# Altium PCB PASS Capstone.PcbDoc (part 3 of 6) (continued)
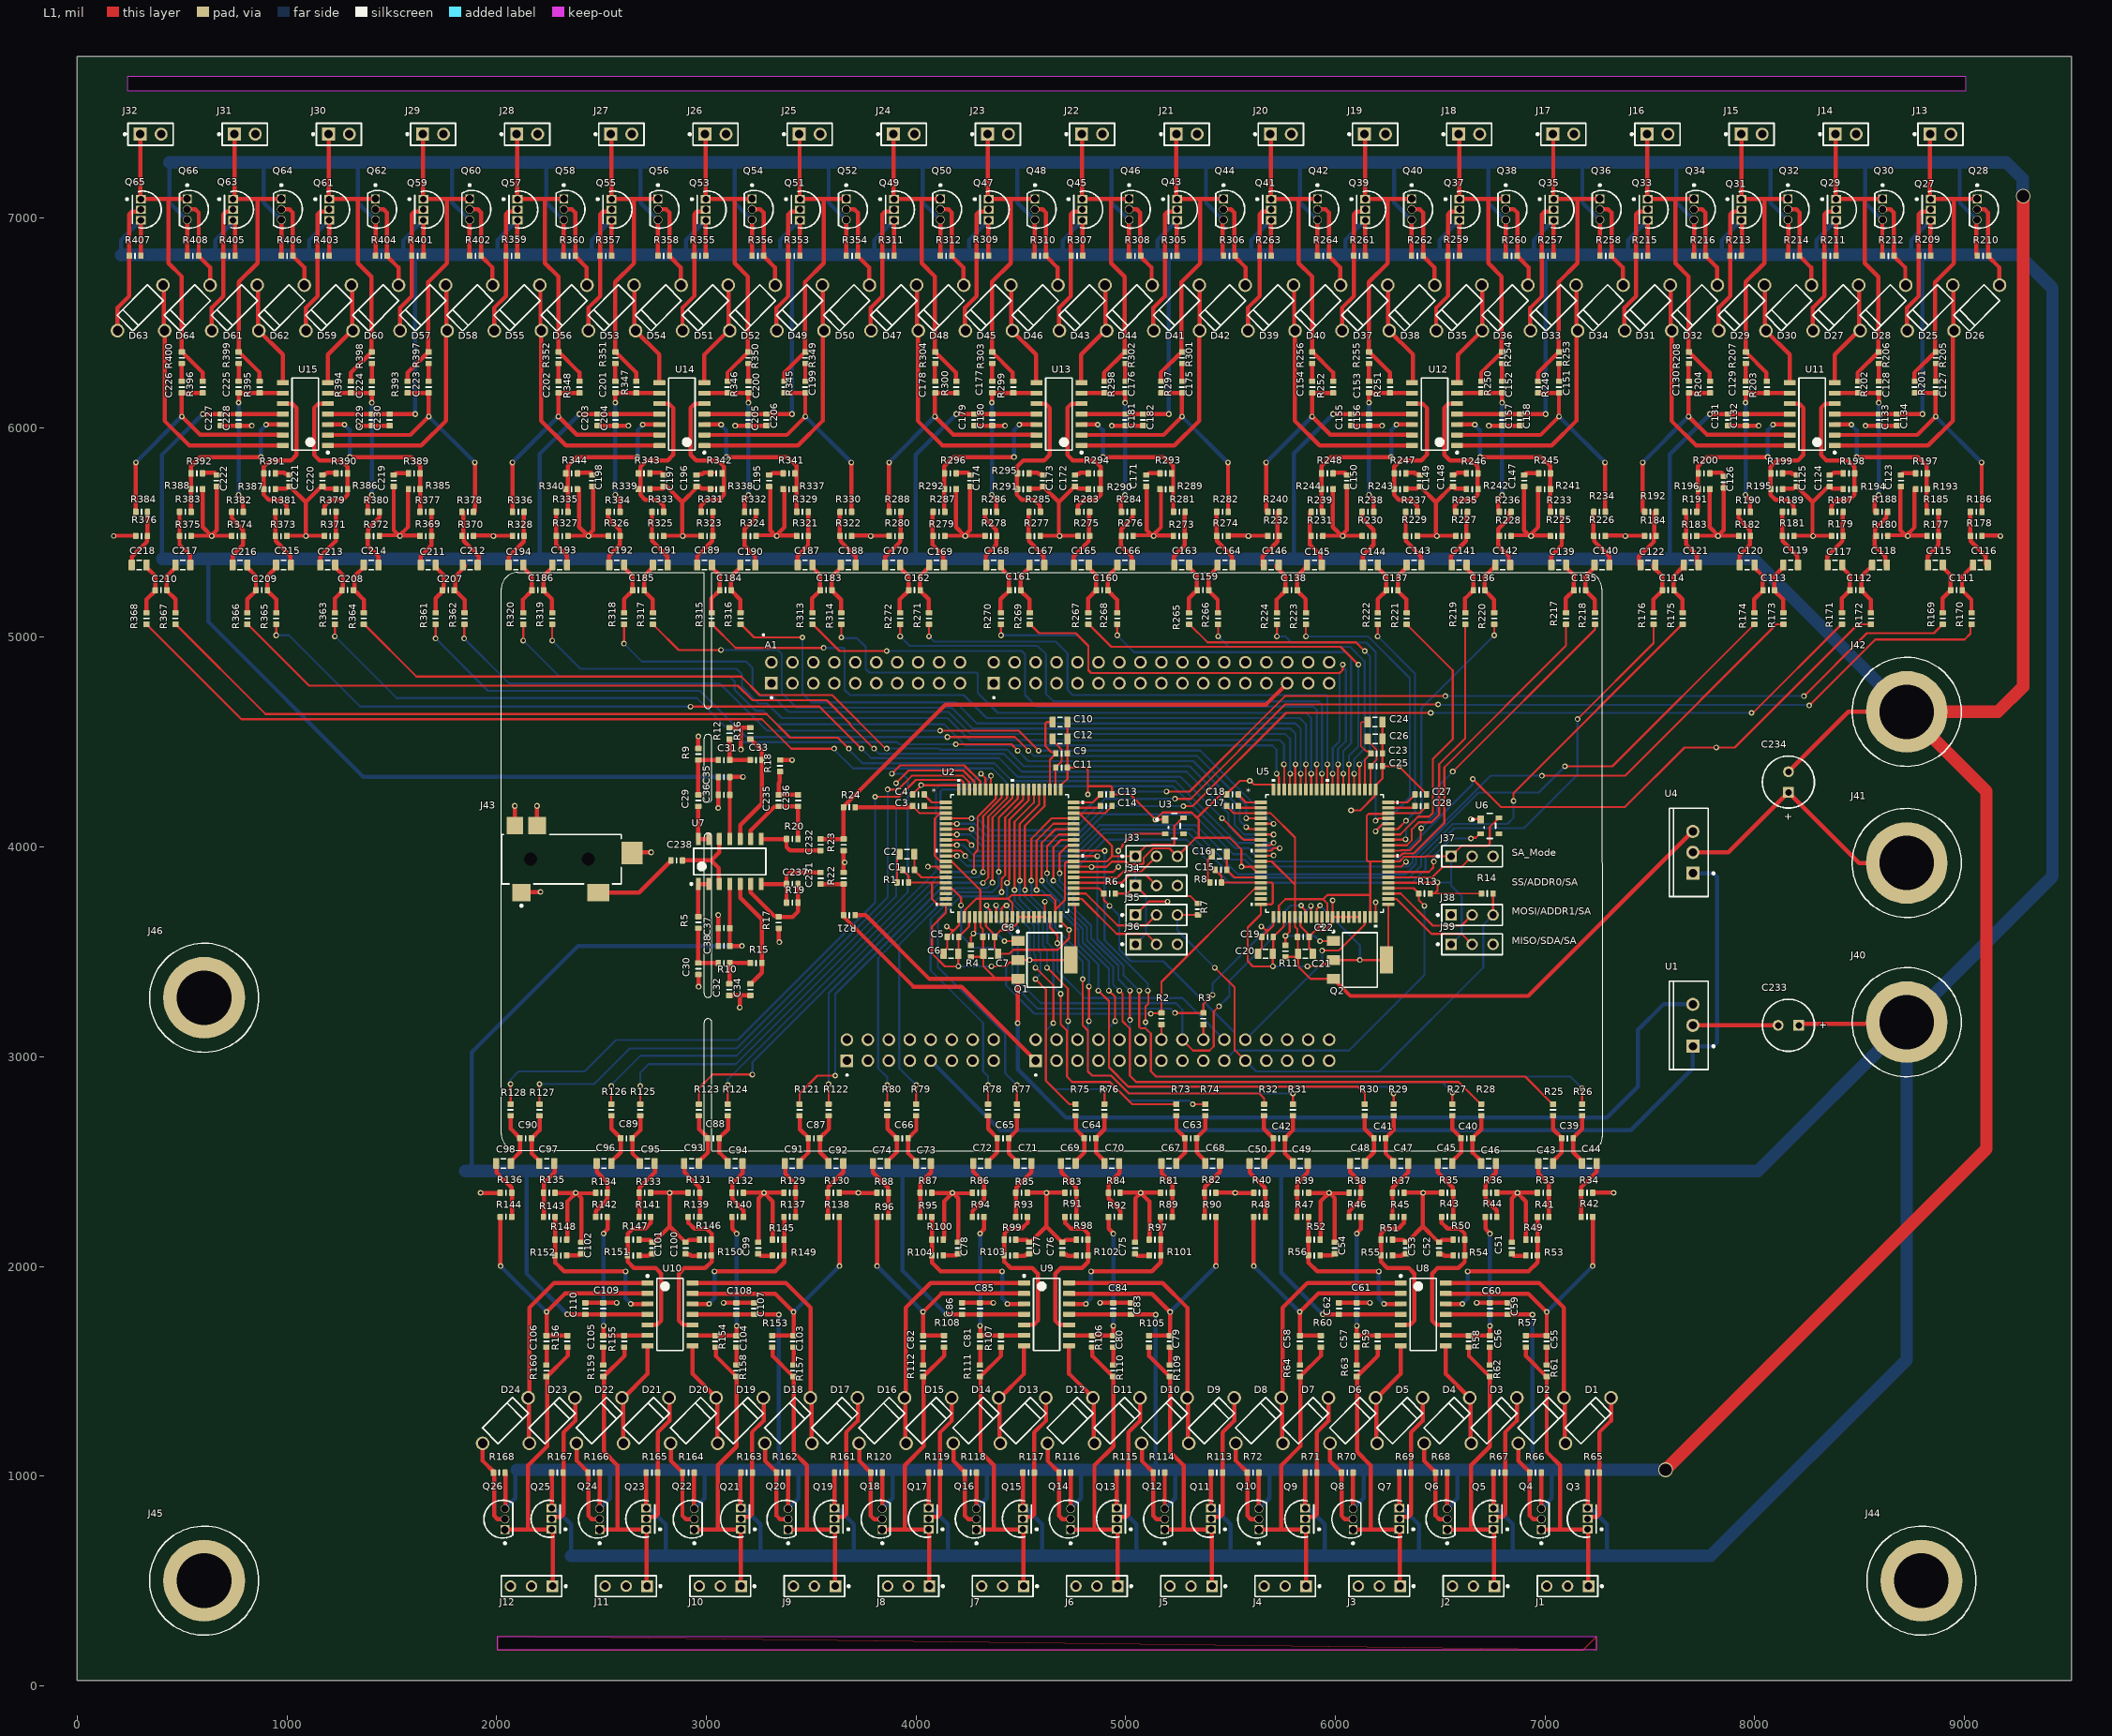
[diagram p0: L1 view]
## Nets (pads, with @x,y where several pads share a name; then routed paths per layer and width w, separated by ;. In a path a pad name is that pad's centre, name@x,y a point inside that pad or via, vN(x,y) a via of type N, cw(c..) or ccw(c..) an arc to the next point about the centre after c; other vN are vias at no path point) (continued)
  L2 w60: 208.9,6822.74 211.15,6825 8803.29,6825 9260,6825 9420,6665 9420,3860 J40.1@8725,3165 ; 1849.75,2455 2142.07,2455 3936.8,2455 5741.85,2455 8015,2455 J40.1@8725,3165 ; 2354.74,619.31 7789.31,619.31 8725,1555 J40.1@8725,3165
NetA1_CN9_1: A1.CN9_1 C231.2 R21.2 R22.1 | length 1466.3
  L1 w20: C231.2@3545,3823.94 R22.1@3655,3823.94 3655,3667.56 3988.11,3334.45 4217.36,3334.45 A1.CN9_1@4570.59,2981.22
NetA1_CN9_14: A1.CN9_14 R2.2 | length 72.4
  L1 w10: A1.CN9_14@5170.59,3081.22 R2.2@5170.59,3153.66
NetA1_CN9_16: A1.CN9_16 U2.28 U5.28 | length 2558.4
  L1 w10: v1(4382.07,3721.72) 4382.58,3721.21 4382.58,3666.73 U2.28@4383.09,3666.22 ; A1.CN9_16@5270.59,3081.22 5321.81,3030 5400,3030 5420,3050 5420,3215 v1(5445,3240) ; v1@5883.39,3716.67 v1(5883.39,3719.9) 5884.05,3719.24 5884.05,3666.88 U5.28@5884.71,3666.22
  L2 w10: v1(4382.07,3721.72) 4486.09,3617.7 4486.09,3363.91 4595,3255 5240,3255 5270.59,3224.41 A1.CN9_16@5270.59,3081.22 ; v1(5445,3240) 5495,3290 5495,3362.06 5784.44,3651.51 5815,3651.51 v1(5883.39,3719.9)
NetA1_CN9_18: A1.CN9_18 R3.2 | length 72.4
  L1 w10: A1.CN9_18@5370.59,3081.22 R3.2@5370.59,3153.66
NetA1_CN9_19: A1.CN9_19 R6.2 R13.2 U2.44 U5.44 | length 2933.3
  L1 w10: U2.44@4751.2,3804.02 4872.2,3804.02 4895.83,3780.39 R6.2@4895.83,3778.42 4895.83,3747.56 v1(4923.39,3720) ; U5.44@6252.82,3804.02 6373.81,3804.02 6397.44,3780.39 R13.2@6397.44,3778.42 6397.44,3747.56 v1(6425,3720)
  L2 w10: v1(4923.39,3720) 4970,3673.39 4970,3510.92 5025.92,3455 5180,3455 5519.37,3115.63 5519.37,3030 ; A1.CN9_19@5470.59,2981.22 5519.37,3030 ; v1(6425,3720) 6425,3390 6065,3030 5519.37,3030
NetA1_CN9_20: A1.CN9_20 U2.38 | length 1204.1
  L1 w10: U2.38@4639,3666.22 4639,3616.73 4675,3580.73 4675,3542.94 v1(4673.53,3541.47)
  L2 w10: v1(4673.53,3541.47) 4675,3540 4675,3409.97 4804.97,3280 5271.81,3280 A1.CN9_20@5470.59,3081.22
NetA1_CN9_21: A1.CN9_21 J35.3 J38.3 R7.2 R14.2 | length 2660.5
  L1 w10: J35.3@5247.07,3676.22 R7.2@5345,3676.22 ; v1(5425,3425) 5520,3330 5520,3031.81 A1.CN9_21@5570.59,2981.22 ; J38.3@6752.07,3676.22 R14.2@6752.07,3778.42
  L2 w10: J35.3@5247.07,3676.22 5247.07,3602.93 v1(5425,3425) ; A1.CN9_21@5570.59,2981.22 5621.81,2930 6210,2930 6705,3425 6705,3629.15 J38.3@6752.07,3676.22
NetA1_CN9_22: A1.CN9_22 U5.38 | length 867.5
  L1 w10: v1(5937.07,3506.22) 6016.21,3506.22 6139.3,3629.31 6139.3,3664.91 U5.38@6140.61,3666.22
  L2 w10: A1.CN9_22@5570.59,3081.22 5937.07,3447.7 v1(5937.07,3506.22)
NetA1_CN10_29: A1.CN10_29 C232.2 R23.1 R24.2 | length 2624.4
  L1 w20: C232.2@3545,4038.5 R23.1@3655,4038.5 3655,4194.12 4140.88,4680 5669.37,4680 A1.CN10_29@5770.59,4781.22
NetC1_1: C1.1 C5.2 C6.2 Q1.2 Q1.4 R1.1 U2.16 U2.20 U2.23 U2.29 U2.41 | length 2282.5
  L1 w10: C1.1@3937.07,3891.22 3937.07,3889.26 3964.63,3861.7 R1.1@3964.63,3831.22 3965.43,3830.41 4077.05,3830.41 ; U2.16@4142.94,3829.61 4142.13,3830.41 4077.05,3830.41 ; v1(4202.07,3431.22) 4137.72,3431.22 4077.07,3491.87 4077.07,3621.22 4142.94,3687.09 U2.20@4142.94,3727.24 4102.76,3727.24 4077.05,3752.95 4077.05,3830.41 ; v1(4202.07,3431.22) C6.2@4202.11,3491.22 4203.15,3492.26 4203.15,3570.22 C5.2@4204.2,3571.22 4204.16,3573.18 4212.16,3581.18 4214.12,3581.18 4253.65,3620.72 4253.65,3663.12 U2.23@4256.76,3666.22 ; v1(4359.7,3431.22) 4427.07,3431.22 4445.45,3449.6 4474.46,3449.6 Q1.2@4486.09,3461.22 v1(4542.19,3461.22) Q1.4@4738.05,3461.22 4760,3483.17 4760,3723.78 4756.54,3727.24 U2.41@4751.2,3727.24 ; U2.29@4408.68,3666.22 4408.68,3708.01 4418.64,3717.97 4428.82,3717.97 v1(4432.07,3721.22)
  L2 w10: v1(4202.07,3431.22) v1(4359.7,3431.22) ; v1(4432.07,3721.22) 4542.19,3611.1 v1(4542.19,3461.22)
NetC1_2: C1.2 C2.2 U2.15 | length 241.8
  L1 w10: C2.2@3992.19,3966.22 C1.2@3992.19,3891.22 3992.19,3889.26 4026.25,3855.2 U2.15@4142.94,3855.2
NetC2_1: C2.1 R1.2 | length 140.1
  L1 w10: R1.2@3909.51,3831.22 3909.51,3943.39 3921.71,3955.59 C2.1@3921.71,3966.22
NetC3_1: C3.1 U2.2 | length 107
  L1 w10: C3.1@4039.63,4196.22 4039.63,4195.87 4047.63,4187.87 U2.2@4142.94,4187.87
NetC3_2: C3.2 C7.1 C8.2 C14.2 J33.1 J34.1 J36.1 Q1.3 R4.2 R6.1 R7.1 R21.1 R24.1 U1.3 U2.3 U2.12 U2.22 U2.25 U2.31 U2.39 U2.49 U2.58 U3.4 | length 9494.4
  L1 w10: C3.2@3984.51,4194.26 4016.49,4162.28 U2.3@4142.94,4162.28 ; 4112.5,4158.82 4090,4136.32 4090,3957.93 4112.5,3935.43 4139.47,3935.43 4146.4,3928.5 4173.37,3928.5 4307.07,3794.81 4307.07,3753.72 ; U2.22@4229.55,3666.22 4233.01,3669.69 4233.01,3699.1 4287.64,3753.72 4307.07,3753.72 ; R4.2@4262.07,3476.22 4311.68,3476.22 C7.1@4321.64,3486.18 ; U2.25@4306.32,3666.22 4306.32,3752.97 4307.07,3753.72 ; U2.25@4307.94,3666.22 4307.94,3619.45 4319.51,3607.87 C8.2@4319.55,3571.22 ; C8.2@4319.55,3571.22 4320.59,3570.18 C7.1@4320.59,3491.22 ; C7.1@4321.64,3491.22 C7.1@4321.64,3486.18 ; 4382.62,3370.67 4321.64,3431.65 C7.1@4321.64,3486.18 ; U2.31@4459.87,3666.22 4459.87,3733.42 4439.57,3753.72 ; U2.39@4664.59,3666.22 4664.59,3701.65 ; U2.58@4751.2,4162.28 4902.82,4162.28 4934.79,4194.26 C14.2@4934.79,4196.22 ; 4781.64,4158.82 4934.79,4005.67 4934.79,3956.22 ; R6.1@4953.4,3775.97 R6.1@4950.95,3778.42 5009.27,3778.42 J34.1@5047.07,3816.22 5096.68,3766.61 5307.77,3766.61 5343.04,3731.34 R7.1@5345,3731.34 ; U3.4@5275.38,4139.02 5270.45,4139.02 5232.07,4100.63 5232.07,4016.22 5222.07,4006.22 5219.7,4006.22 5215.35,4010.56 5124.56,4010.56 5120.22,4006.22 5097.07,4006.22 J33.1@5047.07,3956.22 4934.79,3956.22 ; 4307.07,3753.72 4439.57,3753.72 ; 4439.57,3753.72 4455.85,3770 4640,3770 4664.59,3745.41 4664.59,3701.65 ; 4664.59,3701.65 4709.99,3747.06 4709.99,3922.33 4716.3,3928.65 4727.8,3928.65 4731.12,3931.97 4910.54,3931.97 4934.79,3956.22
  L1 w20: R21.1@3710.12,3675 3760,3675 4064.33,3370.67 4382.62,3370.67 Q1.3@4486.09,3370.67 4485,3369.58 v1(4485,3160) ; R24.1@3710.12,4190 3980.25,4190 C3.2@3984.51,4194.26
  L2 w10: J36.1@5047.07,3536.22 5097.07,3586.22 5097.07,3766.22 J34.1@5047.07,3816.22 J33.1@5047.07,3956.22
  L2 w20: v1(4485,3160) 4485,2940 4715,2710 7295,2710 7442.82,2857.82 7442.82,3127.82 7565,3250 U1.3@7705,3250
NetC4_1: C4.1 U2.1 | length 120.1
  L1 w10: C4.1@4039.63,4251.22 4039.63,4249.26 4075.42,4213.46 U2.1@4142.94,4213.46
NetC9_2: C9.2 C10.2 U2.63 | length 393.8
  L1 w10: U2.63@4639,4274.49 4639,4416.31 4666.95,4444.26 C9.2@4666.95,4446.22 4660.76,4452.41 4645.88,4452.41 4617.07,4481.22 4617.07,4590.36 4622.93,4596.22 C10.2@4651.6,4596.22
NetC11_2: C11.2 C12.1 U2.62 | length 273.6
  L1 w10: C12.1@4651.6,4516.22 4651.6,4505.59 4661.56,4495.63 4663.93,4495.63 4694.83,4464.73 4694.83,4408.92 4666.95,4381.04 C11.2@4666.95,4379.07 4665.77,4377.89 4665.77,4275.67 U2.62@4664.59,4274.49
NetC13_1: C13.1 U2.60 | length 145.3
  L1 w10: U2.60@4751.2,4213.46 4843.88,4213.46 4879.68,4249.26 C13.1@4879.68,4251.22
NetC14_1: C14.1 U2.59 | length 132.1
  L1 w10: U2.59@4751.2,4187.87 4871.68,4187.87 4879.68,4195.87 C14.1@4879.68,4196.22
NetC15_1: C15.1 C19.2 C20.2 Q2.2 Q2.4 R8.1 U5.16 U5.20 U5.23 U5.29 U5.41 | length 2396.4
  L1 w10: C15.1@5427.07,3891.22 5427.07,3889.26 5435.07,3881.26 5436.99,3881.26 5457.07,3861.18 R8.1@5457.07,3831.22 5457.88,3830.41 5696.21,3830.41 5702.07,3824.56 5702.07,3733.1 5696.21,3727.24 U5.20@5644.55,3727.24 5644.55,3678.7 5582.07,3616.22 5582.07,3456.22 5607.07,3431.22 v1(5702.07,3431.22) 5702.11,3431.26 C20.2@5702.11,3491.22 ; C20.2@5704.16,3478.54 C19.2@5704.16,3571.22 5704.16,3573.18 5712.16,3581.18 5714.12,3581.18 5753.65,3620.72 5753.65,3663.12 U5.23@5756.76,3666.22 ; v1(5867.07,3431.22) 5931.67,3431.22 5943.05,3442.6 5972.46,3442.6 Q2.2@5991.09,3461.22 v1(6117.07,3461.22) Q2.4@6243.05,3461.22 6252.82,3470.98 U5.41@6252.82,3727.24 ; U5.29@5911.51,3665.01 U5.29@5910.3,3666.22 5910.3,3704.45 v1(5927.07,3721.22)
  L2 w10: v1(5702.07,3431.22) v1(5867.07,3431.22) ; v1(5927.07,3721.22) 6117.07,3531.22 v1(6117.07,3461.22)
NetC15_2: C15.2 C16.2 U5.15 | length 253.5
  L1 w10: C16.2@5482.07,3966.22 C16.2@5482.07,3966.22 5482.13,3891.28 C15.2@5482.19,3891.22 5482.19,3889.26 5490.19,3881.26 5492.15,3881.26 5517.89,3855.52 5575.02,3855.52 5575.34,3855.2 U5.15@5644.55,3855.2
NetC16_1: C16.1 R8.2 | length 149.4
  L1 w10: R8.2@5401.95,3831.22 5393.95,3839.22 5393.95,3845.16 5392.07,3847.04 5392.07,3939.77 5397.93,3945.63 5401.64,3945.63 5411.6,3955.59 C16.1@5411.6,3966.22
NetC17_1: C17.1 U5.2 | length 111.1
  L1 w10: C17.1@5537.07,4196.22 5537.07,4195.87 5545.07,4187.87 U5.2@5644.55,4187.87
NetC17_2: C17.2 C21.2 C22.2 C28.2 J37.1 J39.1 Q2.3 R11.2 R13.1 R14.1 U4.3 U5.3 U5.12 U5.22 U5.25 U5.31 U5.39 U5.45 U5.49 U5.58 U6.4 | length 6772.9
  L1 w8: R13.1@6452.56,3778.42 R14.1@6696.95,3778.42 ; v1@6485.46,3829.61 v1(6487.07,3831.22)
  L1 w10: C17.2@5481.95,4196.22 5481.95,4194.26 5513.93,4162.28 U5.3@5644.55,4162.28 5691.01,4162.28 5807.97,4045.32 5807.97,3820.32 ; U5.12@5644.55,3931.97 5696.32,3931.97 5807.97,3820.32 ; U5.22@5731.16,3666.22 5731.16,3720.31 5762.07,3751.22 5807.97,3751.22 ; R11.2@5762.07,3476.22 5812.07,3476.22 5822.03,3486.18 C21.2@5822.03,3491.22 ; U5.31@5961.48,3666.22 5961.48,3731.81 5942.07,3751.22 ; Q2.3@5991.09,3370.67 5990.53,3371.22 5882.07,3371.22 5822.05,3431.24 C21.2@5822.03,3491.22 ; U5.39@6166.2,3666.22 6166.2,3771.22 ; U5.45@6252.82,3829.61 v1@6485.46,3829.61 ; C28.2@6434.63,4196.22 6434.63,4194.26 6402.65,4162.28 U5.58@6252.82,4162.28 6249.35,4158.82 6158.82,4158.82 6150,4150 6150,3937.83 6155.86,3931.97 6166.2,3931.97 ; 6472.87,3779.05 6487.07,3793.25 v1(6487.07,3831.22) ; U6.4@6780.38,4139.02 6775.45,4139.02 6769.63,4133.19 6769.63,4128.27 6737.07,4095.71 6737.07,4016.22 6727.07,4006.22 6602.07,4006.22 J37.1@6552.07,3956.22 6430.9,3956.22 6427.98,3953.3 6327.34,3953.3 6306,3931.97 6166.2,3931.97 ; 5807.97,3751.22 5942.07,3751.22 ; 5807.97,3751.22 5807.97,3820.32 ; 5807.97,3751.22 5807.97,3666.22 5807.94,3619.45 5819.51,3607.87 C22.2@5819.51,3571.22 5820.77,3569.96 5820.77,3492.48 C21.2@5822.03,3491.22 ; 5942.07,3751.22 5962.07,3771.22 6166.2,3771.22 ; 6166.2,3771.22 6166.2,3931.97
  L1 w20: Q2.3@5991.09,3370.67 6071.75,3290 6920,3290 U4.3@7705,4075
  L2 w10: v1(6487.07,3831.22) 6552.07,3831.22 ; J39.1@6552.07,3536.22 6602.07,3586.22 6602.07,3766.22 6574.41,3793.88 6552.07,3816.22 6552.07,3831.22 ; J37.1@6552.07,3956.22 6552.07,3831.22
NetC18_1: C18.1 U5.1 | length 124.3
  L1 w10: C18.1@5537.07,4251.22 5537.07,4249.26 5572.86,4213.46 U5.1@5644.55,4213.46
NetC23_2: C23.2 C24.2 U5.63 | length 391.2
  L1 w7.87: U5.63@6140.61,4274.49 6140.61,4415.36 6169.51,4444.26 6169.51,4448.18 6160.45,4457.24 6146.05,4457.24 6122.07,4481.22 6122.07,4591.61 6126.68,4596.22 C24.2@6154.16,4596.22
NetC25_2: C25.2 C26.1 U5.62 | length 272.8
  L1 w7.87: C26.1@6154.16,4516.22 6154.16,4505.59 6165.18,4494.57 6166.93,4494.57 6196.45,4465.05 6196.45,4415.12 6169.51,4388.18 C25.2@6169.51,4386.22
  L1 w10: U5.62@6166.2,4274.49 6167.86,4276.14 6167.86,4384.57 C25.2@6169.51,4386.22
NetC27_1: C27.1 U5.60 | length 143.5
  L1 w10: U5.60@6252.82,4213.46 6343.71,4213.46 6379.51,4249.26 C27.1@6379.51,4251.22
NetC28_1: C28.1 U5.59 | length 130.4
  L1 w10: U5.59@6252.82,4187.87 6371.51,4187.87 6379.51,4195.87 C28.1@6379.51,4196.22
NetC29_1: C29.1 U7.13 U7.14 | length 205.6
  L1 w20: C29.1@2962.07,4194.12 U7.14@2962.07,4038.5 U7.13@3012.07,4038.5
NetC29_2: C29.2 C31.1 R9.1 | length 260.9
  L1 w20: C29.2@2962.07,4249.24 R9.1@2962.07,4415.26 C31.1@3056.95,4415.26
NetC30_1: C30.1 R5.1 R10.2 | length 260.9
  L1 w20: R5.1@2962.07,3613.2 C30.1@2962.07,3447.18 R10.2@3056.95,3447.18
NetC31_2: C31.2 C33.1 R12.1 | length 195.5
  L1 w20: C31.2@3111.03,4416.29 R12.1@3111.03,4513.85 ; C31.2@3112.07,4415.26 C33.1@3210,4415.26
NetC32_1: C32.1 R10.1 R15.2 | length 196.9
  L1 w20: C32.1@3110,3347.56 3111.03,3348.59 R10.1@3111.03,3446.15 ; R10.1@3112.07,3447.18 R15.2@3210,3447.18
NetC33_2: C33.2 R16.1 U7.10 | length 543
  L1 w20: U7.10@3162.07,4038.5 3162.07,4104.15 3265.12,4207.2 C33.2@3265.12,4415.26 3265.12,4461.72 3211.96,4514.88 R16.1@3210,4514.88
NetC34_1: C34.1 R15.1 U7.5 | length 543
  L1 w20: U7.5@3162.07,3823.94 3162.07,3758.29 3265.12,3655.24 R15.1@3265.12,3447.18 3265.12,3400.72 3211.96,3347.56 C34.1@3210,3347.56
NetC35_1: C35.1 C36.1 C59.1 C60.1 C83.1 C84.1 C107.1 C108.1 C131.1 C132.1 C155.1 C156.1 C179.1 C180.1 C203.1 C204.1 C227.1 C228.1 C234.2 J42.1 Q4.3 Q6.3 Q8.3 Q10.3 Q12.3 Q14.3 Q16.3 Q18.3 Q20.3 Q22.3 Q24.3 Q26.3 Q28.3 Q30.3 Q32.3 Q34.3 Q36.3 Q38.3 Q40.3 Q42.3 Q44.3 Q46.3 Q48.3 Q50.3 Q52.3 Q54.3 Q56.3 Q58.3 Q60.3 Q62.3 Q64.3 Q66.3 R66.2 R68.2 R70.2 R72.2 R114.2 R116.2 R118.2 R120.2 R162.2 R164.2 R166.2 R168.2 R210.2 R212.2 R214.2 R216.2 R258.2 R260.2 R262.2 R264.2 R306.2 R308.2 R310.2 R312.2 R354.2 R356.2 R358.2 R360.2 R402.2 R404.2 R406.2 R408.2 U7.11 U8.11 U9.11 U10.11 U11.11 U12.11 U13.11 U14.11 U15.11 | length 57863.5
  L1 w20: R408.2@524.37,6820 Q66.3@524.37,6991.57 ; v1(598.68,6065) C227.1@684.75,6065 880.48,6065 U15.11@980.48,6065 ; R406.2@973.37,6820 Q64.3@973.37,6991.57 ; R404.2@1422.37,6820 Q62.3@1422.37,6991.57 ; R402.2@1871.37,6820 Q60.3@1871.37,6991.57 ; Q26.3@2043.45,844.65 R168.2@2043.45,1016.22 ; R360.2@2320.37,6820 Q58.3@2320.37,6991.57 ; v1(2395.53,6065) C203.1@2481.6,6065 2676.48,6065 U14.11@2776.49,6065 ; Q24.3@2492.45,844.65 R166.2@2492.45,1016.22 ; R358.2@2769.37,6820 Q56.3@2769.37,6991.57 ; U10.11@2934.33,1771.22 3034.33,1771.22 C107.1@3230.07,1771.22 ; Q22.3@2941.45,844.65 R164.2@2941.45,1016.22 ; U7.11@3112.07,4038.5 3112.07,4138.51 C36.1@3112.07,4249.24 C35.1@3112.07,4334.24 v1(3175,4334.24) ; R356.2@3218.37,6820 Q54.3@3218.37,6991.57 ; C107.1@3228.98,1770.61 v1@3345.69,1770.61 ; Q20.3@3390.45,844.65 R162.2@3390.45,1016.22 ; R354.2@3667.37,6820 Q52.3@3667.37,6991.57 ; Q18.3@3839.45,844.65 R120.2@3839.45,1016.22 ; R312.2@4116.37,6820 Q50.3@4116.37,6991.57 ; v1(4192.38,6065) C179.1@4278.45,6065 4472.49,6065 U13.11@4572.49,6065 ; Q16.3@4288.45,844.65 R118.2@4288.45,1016.22 ; R310.2@4565.37,6820 Q48.3@4565.37,6991.57 ; U9.11@4730.33,1771.22 4830.33,1771.22 C83.1@5026.07,1771.22 ; Q14.3@4737.45,844.65 R116.2@4737.45,1016.22 ; R308.2@5014.37,6820 Q46.3@5014.37,6991.57 ; C83.1@5025.83,1770.61 v1@5142.54,1770.61 ; Q12.3@5186.45,844.65 R114.2@5186.45,1016.22 ; R306.2@5463.37,6820 Q44.3@5463.37,6991.57 ; Q10.3@5635.45,844.65 R72.2@5635.45,1016.22 ; R264.2@5914.7,6820 Q42.3@5914.7,6991.57 ; v1(5989.87,6065) C155.1@6075.93,6065 6270.82,6065 U12.11@6370.82,6065 ; Q8.3@6084.45,844.65 R70.2@6084.45,1016.22 ; R262.2@6363.7,6820 Q40.3@6363.7,6991.57 ; U8.11@6526.33,1771.22 6626.33,1771.22 C59.1@6822.07,1771.22 6822.68,1770.61 6939.39,1770.61 v1(6940,1770) ; Q6.3@6533.45,844.65 R68.2@6533.45,1016.22 ; R260.2@6812.71,6820 Q38.3@6812.71,6991.57 ; Q4.3@6982.45,844.65 R66.2@6982.45,1016.22 ; R258.2@7261.71,6820 Q36.3@7261.71,6991.57 ; R216.2@7710.71,6820 Q34.3@7710.71,6991.57 ; v1(7786.72,6065) C131.1@7872.78,6065 C132.1@7957.78,6065 8066.82,6065 U11.11@8166.82,6065 ; R214.2@8159.71,6820 Q32.3@8159.71,6991.57 ; C234.2@8160.79,4359.21 8446.57,4645 J42.1@8725,4645 ; R212.2@8608.71,6820 Q30.3@8608.71,6991.57 ; R210.2@9057.71,6820 Q28.3@9057.71,6991.57
  L1 w60: v2(7575,1030) 9105,2560 9105,4265 J42.1@8725,4645 9160,4645 9280,4765 v2(9280,7105)
  L2 w20: 405,5375 405,5871.32 v1(598.68,6065) ; 440.68,7265 440.68,7073.4 522.51,6991.57 Q66.3@524.37,6991.57 ; 624.38,5375 624.38,5075.62 1365.76,4334.24 v1(3175,4334.24) ; 889.68,7265 889.68,7073.4 Q64.3@971.51,6991.57 ; 1338.69,7265 1338.69,7073.4 Q62.3@1420.51,6991.57 ; 1787.69,7265 1787.69,7073.4 Q60.3@1869.51,6991.57 ; Q26.3@2040.04,844.65 2090,894.6 2090,1025 ; 2204.8,5375 2204.8,5874.26 v1(2395.53,6065) ; 2236.69,7265 2236.69,7073.4 Q58.3@2318.51,6991.57 ; Q24.3@2491.28,844.65 2541.24,894.6 2541.24,1025 ; 2685.69,7265 2685.69,7073.4 Q56.3@2767.51,6991.57 ; Q22.3@2942.85,844.65 2992.81,894.6 2992.81,1025 ; 3134.69,7265 3134.69,7073.4 Q54.3@3216.51,6991.57 ; 3346.3,1031.17 v1(3346.3,1770) ; Q20.3@3390.45,844.65 3440.4,894.6 3440.4,1025 ; 3583.69,7265 3583.69,7073.4 Q52.3@3665.51,6991.57 ; Q18.3@3839.45,844.65 3889.4,894.6 3889.4,1025 ; 3998.2,5375 3998.2,5870.82 v1(4192.38,6065) ; 4032.69,7265 4032.69,7073.4 Q50.3@4114.51,6991.57 ; Q16.3@4288.45,844.65 4338.4,894.6 4338.4,1025 ; 4484.02,7265 4484.02,7073.4 Q48.3@4565.85,6991.57 ; Q14.3@4737.45,844.65 4787.41,894.6 4787.41,1025 ; 4933.02,7265 4933.02,7073.4 Q46.3@5014.85,6991.57 ; 5143.15,1031.17 v1(5143.15,1770) ; Q12.3@5186.45,844.65 5236.41,894.6 5236.41,1025 ; 5383.09,7265 5383.09,7073.4 Q44.3@5464.91,6991.57 ; Q10.3@5635.45,844.65 5685.41,894.6 5685.41,1025 ; 5801.74,5375 5801.74,5876.87 v1(5989.87,6065) ; 5831.02,7265 5831.02,7073.4 Q42.3@5912.85,6991.57 ; Q8.3@6084.45,844.65 6134.41,894.6 6134.41,1025 ; 6280.02,7265 6280.02,7073.4 Q40.3@6361.85,6991.57 ; Q6.3@6533.45,844.65 6583.41,894.6 6583.41,1025 ; 6729.02,7265 6729.02,7073.4 Q38.3@6810.85,6991.57 ; 6938.83,1030 6940,1031.17 v1(6940,1770) ; Q4.3@6982.45,844.65 7032.41,894.6 7032.41,1025 ; 7178.02,7265 7178.02,7073.4 Q36.3@7259.85,6991.57 ; 7594.49,5375 7594.49,5872.77 v1(7786.72,6065) ; 7627.02,7265 7627.02,7073.4 Q34.3@7708.85,6991.57 ; 8074.62,7265 8074.62,7073.4 Q32.3@8156.44,6991.57 ; 8526.19,7265 8526.19,7073.4 Q30.3@8608.02,6991.57 ; 8977.43,7265 8977.43,7073.4 Q28.3@9059.25,6991.57
  L2 w60: 405,5375 624.38,5375 2204.8,5375 3998.2,5375 5801.74,5375 7594.49,5375 7995,5375 J42.1@8725,4645 ; 440.68,7265 889.68,7265 1338.69,7265 1787.69,7265 2236.69,7265 2685.69,7265 3134.69,7265 3583.69,7265 4032.69,7265 4484.02,7265 4933.02,7265 5383.09,7265 5831.02,7265 6280.02,7265 6729.02,7265 7178.02,7265 7627.02,7265 8074.62,7265 8526.19,7265 8977.43,7265 9200,7265 9278.09,7186.91 9278.09,7106.91 v2(9280,7105) ; 2095,1030 6938.83,1030 v2(7575,1030)
NetC39_1: C39.1 C43.1 R25.2 | length 259.1
  L1 w20: C43.1@7038.33,2491.22 7038.33,2501.85 7079.51,2543.03 C39.1@7079.51,2611.22 7079.51,2613.18 7038.33,2654.36 R25.2@7038.33,2716.22
NetC39_2: C39.2 C44.1 R26.2 | length 259.8
  L1 w20: C44.1@7176.64,2491.22 7176.64,2501.85 7134.63,2543.86 C39.2@7134.63,2611.22 7134.63,2613.18 7176.64,2655.19 R26.2@7176.64,2716.22
NetC40_1: C40.1 C45.1 R27.2 | length 259.5
  L1 w20: C45.1@6557.89,2491.22 6557.89,2501.85 6599.51,2543.47 C40.1@6599.51,2611.22 6599.51,2613.18 6557.89,2654.8 R27.2@6557.89,2716.22
NetC40_2: C40.2 C46.1 R28.2 | length 259.1
  L1 w20: C46.1@6695.81,2491.22 6695.81,2501.85 6654.63,2543.03 C40.2@6654.63,2611.22 6654.63,2613.18 6695.81,2654.36 R28.2@6695.81,2716.22
NetC41_1: C41.1 C47.1 R29.2 | length 257
  L1 w20: C47.1@6278.08,2490.06 6278.08,2500.69 6239.46,2539.3 6239.46,2610.06 6239.46,2612.02 6278.08,2650.63 R29.2@6278.08,2715.06
NetC41_2: C41.2 C48.1 R30.2 | length 261.6
  L1 w20: C48.1@6140.17,2490.06 6140.17,2500.69 6184.35,2544.87 6184.35,2610.06 6184.35,2612.02 6140.17,2656.2 R30.2@6140.17,2715.06
NetC42_1: C42.1 C49.1 R31.2 | length 256.6
  L1 w20: C49.1@5797.76,2490.09 5797.76,2500.72 5759.57,2538.9 5759.57,2610.09 5759.57,2612.05 5797.76,2650.23 R31.2@5797.76,2715.09
NetC42_2: C42.2 C50.1 R32.2 | length 262
  L1 w20: C50.1@5659.84,2490.09 5659.84,2500.72 5704.46,2545.34 5704.46,2610.09 5704.46,2612.05 5659.84,2656.67 R32.2@5659.84,2715.09
NetC43_2: C43.2 R33.2 R41.2 | length 276
  L1 w20: C43.2@6968.25,2491.22 6968.25,2444.45 7019.04,2393.67 7019.04,2351.22 R41.2@7019.04,2236.22
NetC44_2: C44.2 R34.1 R42.2 | length 285.8
  L1 w20: R34.1@7172.31,2351.22 7173.5,2352.42 7173.5,2378.5 7245.53,2450.53 7245.53,2490.03 C44.2@7246.71,2491.22 ; R42.2@7172.7,2236.22 R34.1@7172.7,2351.22
NetC45_2: C45.2 R35.2 R43.2 | length 283.2
  L1 w20: C45.2@6489.3,2489.35 6489.3,2447.81 6559.81,2377.29 6559.81,2353.24 6561.83,2351.22 R43.2@6561.83,2236.22
NetC46_2: C46.2 R36.1 R44.2 | length 298.9
  L1 w20: C46.2@6766.28,2491.22 6766.28,2446.28 6715.49,2395.49 6715.49,2351.22 6715.52,2322.77 6770.61,2267.68 R44.2@6770.61,2236.22
NetC47_2: C47.2 R37.2 R45.2 | length 280
  L1 w20: R45.2@6272.82,2236.22 R37.2@6272.82,2351.22 ; R37.2@6274.54,2351.22 6274.54,2376.65 6347.07,2449.18 C47.2@6347.07,2486.22
NetC48_2: C48.2 R38.1 R46.2 | length 295.7
  L1 w20: R46.2@6065.92,2236.22 6065.92,2265.07 6119.81,2318.96 6119.81,2350 R38.1@6121.03,2351.22 ; C48.2@6070.08,2488.1 6070.08,2449.92 6120.87,2399.13 R38.1@6120.87,2351.22
NetC49_2: C49.2 R39.2 R47.2 | length 273.8
  L1 w20: R39.2@5814.44,2345.13 5812.48,2345.13 5817.1,2340.51 R47.2@5817.1,2236.22 ; R39.2@5817.44,2350.09 5817.44,2397.44 5868.23,2448.23 C49.2@5868.23,2490.09
NetC50_2: C50.2 R40.1 R48.2 | length 282.8
  L1 w20: C50.2@5591.24,2488.22 5591.24,2448.76 5663,2377 5663,2353.93 R40.1@5665.71,2351.22 R48.2@5665.71,2236.22
NetC51_2: C51.2 R53.2 | length 70.2
  L1 w20: C51.2@6841.67,2058.66 6843.63,2058.66 6851.07,2051.22 R53.2@6908.8,2051.22
NetC52_2: C52.2 R54.2 | length 70.7
  L1 w20: C52.2@6494.82,2060.01 6497.82,2057.01 6513.04,2057.01 6518.83,2051.22 R54.2@6561.83,2051.22
NetC53_2: C53.2 R55.2 | length 67.9
  L1 w20: R55.2@6272.82,2051.22 6315.82,2051.22 6321.62,2057.01 6334.07,2057.01 C53.2@6337.07,2060.01
NetC54_2: C54.2 R56.2 | length 70.2
  L1 w20: R56.2@5930.34,2052.57 5988.07,2052.57 5995.51,2060.01 C54.2@5997.47,2060.01
NetC55_1: C55.1 R42.1 R57.2 U8.13 | length 1277.6
  L1 w20: U8.13@6526.33,1871.22 6527.55,1870 6920.85,1870 v1(7008.13,1782.72) C55.1@7008.13,1670.03 R57.2@6908.13,1670.03 R57.2@6906.91,1671.25 ; v1@7227.07,2001.22 7227.44,2001.59 7227.44,2235.85 R42.1@7227.82,2236.22
  L2 w20: v1(7008.13,1782.72) 7008.35,1782.72 7226.85,2001.22 v1@7227.07,2001.22
  other v1: 7227.07,2001.59
NetC55_2: C55.2 R61.2 | length 84.9
  L1 w20: R61.2@7008.13,1530.03 C55.2@7008.13,1614.91
NetC56_1: C56.1 R44.1 R58.2 U8.9 | length 786.4
  L1 w20: U8.9@6526.33,1671.22 6526.93,1670.63 6636.48,1670.63 R58.2@6637.07,1670.03 C56.1@6737.07,1670.03 v1(6737.07,1716.22) ; R44.1@6715.49,2236.22 6715.49,2179.69 6737.07,2158.11 v1(6737.07,2156.22)
  L2 w20: v1(6737.07,1716.22) v1(6737.07,2156.22)
NetC56_2: C56.2 R62.2 | length 84.9
  L1 w20: R62.2@6737.07,1530.03 C56.2@6737.07,1614.91
NetC57_1: C57.1 R46.1 R59.2 U8.6 | length 783.1
  L1 w20: v1(6101.93,1716.81) 6101.93,1670.63 R59.2@6201.93,1670.63 ; v1(6101.93,2156.81) 6101.93,2158.71 6121.03,2177.82 R46.1@6121.03,2236.22 ; R59.2@6202.52,1671.22 U8.6@6312.07,1671.22
  L2 w20: v1(6101.93,1716.81) v1(6101.93,2156.81)
NetC57_2: C57.2 R63.2 | length 84.9
  L1 w20: R63.2@6101.93,1530.63 C57.2@6101.93,1615.51
NetC58_1: C58.1 R48.1 R60.2 U8.2 | length 1273.4
  L1 w20: R48.1@5610.59,2236.22 5610.59,2001.97 v1(5610.96,2001.59) ; R60.2@5930.86,1670.63 5830.86,1670.63 5830.86,1783.31 5918.15,1870.59 U8.2@6311.44,1870.59
  L2 w20: v1(5610.96,2001.59) 5611.18,2001.59 v1@5829.68,1783.09
  other v1: 5829.9,1783.09
NetC58_2: C58.2 R64.2 | length 84.9
  L1 w20: R64.2@5830.86,1530.63 C58.2@5830.86,1615.51
NetC63_1: C63.1 C67.1 R73.2 | length 259.1
  L1 w20: C67.1@5242.33,2491.22 5242.33,2501.85 5283.51,2543.03 5283.51,2611.22 5283.51,2613.18 5242.33,2654.36 R73.2@5242.33,2716.22
NetC63_2: C63.2 C68.1 R74.2 | length 259.8
  L1 w20: C68.1@5380.63,2491.22 5380.63,2501.85 5338.63,2543.86 5338.63,2611.22 5338.63,2613.18 5380.63,2655.19 R74.2@5380.63,2716.22
NetC64_1: C64.1 C69.1 R75.2 | length 259.5
  L1 w20: C69.1@4761.89,2491.22 4761.89,2501.85 4803.51,2543.47 4803.51,2611.22 4803.51,2613.18 4761.89,2654.8 R75.2@4761.89,2716.22
NetC64_2: C64.2 C70.1 R76.2 | length 259.1
  L1 w20: C70.1@4899.81,2491.22 4899.81,2501.85 4858.63,2543.03 4858.63,2611.22 4858.63,2613.18 4899.81,2654.36 R76.2@4899.81,2716.22
NetC65_1: C65.1 C71.1 R77.2 | length 257
  L1 w20: C71.1@4482.08,2490.06 4482.08,2500.69 4443.46,2539.3 4443.46,2610.06 4443.46,2612.02 4482.08,2650.63 R77.2@4482.08,2715.06
NetC65_2: C65.2 C72.1 R78.2 | length 261.6
  L1 w20: C72.1@4344.16,2490.06 4344.16,2500.69 4388.35,2544.87 4388.35,2610.06 4388.35,2612.02 4344.16,2656.2 R78.2@4344.16,2715.06
NetC66_1: C66.1 C73.1 R79.2 | length 256.6
  L1 w20: C73.1@4001.75,2490.09 4001.75,2500.72 3963.57,2538.9 3963.57,2610.09 3963.57,2612.05 4001.75,2650.23 R79.2@4001.75,2715.09
NetC66_2: C66.2 C74.1 R80.2 | length 262
  L1 w20: C74.1@3863.84,2490.09 3863.84,2500.72 3908.46,2545.34 3908.46,2610.09 3908.46,2612.05 3863.84,2656.67 R80.2@3863.84,2715.09
NetC67_2: C67.2 R81.2 R89.2 | length 276
  L1 w20: C67.2@5172.25,2491.22 5172.25,2444.45 5223.03,2393.67 5223.03,2351.22 R89.2@5223.03,2236.22
NetC68_2: C68.2 R82.1 R90.2 | length 285.8
  L1 w20: R82.1@5376.3,2351.22 5377.5,2352.42 5377.5,2378.5 5449.53,2450.53 5449.53,2490.03 C68.2@5450.71,2491.22 ; R90.2@5376.7,2236.22 R82.1@5376.7,2351.22
NetC69_2: C69.2 R83.2 R91.2 | length 283.2
  L1 w20: C69.2@4693.3,2489.35 4693.3,2447.81 4763.81,2377.29 4763.81,2353.24 4765.83,2351.22 R91.2@4765.83,2236.22
NetC70_2: C70.2 R84.1 R92.2 | length 298.9
  L1 w20: C70.2@4970.28,2491.22 4970.28,2446.28 4919.49,2395.49 4919.49,2351.22 4919.52,2322.77 4974.61,2267.68 R92.2@4974.61,2236.22
NetC71_2: C71.2 R85.2 R93.2 | length 280
  L1 w20: R93.2@4476.82,2236.22 R85.2@4476.82,2351.22 ; R85.2@4478.53,2351.22 4478.53,2376.65 4551.07,2449.18 C71.2@4551.07,2486.22
NetC72_2: C72.2 R86.1 R94.2 | length 295.7
  L1 w20: R94.2@4269.92,2236.22 4269.92,2265.07 4323.81,2318.96 4323.81,2350 R86.1@4325.03,2351.22 ; C72.2@4274.08,2488.1 4274.08,2449.92 4324.87,2399.13 R86.1@4324.87,2351.22
NetC73_2: C73.2 R87.2 R95.2 | length 273.8
  L1 w20: R87.2@4018.44,2345.13 4016.48,2345.13 4021.1,2340.51 R95.2@4021.1,2236.22 ; R87.2@4021.44,2350.09 4021.44,2397.44 4072.23,2448.23 C73.2@4072.23,2490.09
NetC74_2: C74.2 R88.1 R96.2 | length 282.8
  L1 w20: C74.2@3795.24,2488.22 3795.24,2448.76 3867,2377 3867,2353.93 3869.7,2351.22 R96.2@3869.7,2236.22
NetC75_2: C75.2 R101.2 | length 70.2
  L1 w20: C75.2@5045.67,2058.66 5047.63,2058.66 5055.07,2051.22 R101.2@5112.8,2051.22
NetC76_2: C76.2 R102.2 | length 70.7
  L1 w20: C76.2@4698.82,2060.01 4701.82,2057.01 4717.04,2057.01 4722.83,2051.22 R102.2@4765.83,2051.22
NetC77_2: C77.2 R103.2 | length 67.9
  L1 w20: R103.2@4476.82,2051.22 4519.82,2051.22 4525.62,2057.01 4538.07,2057.01 C77.2@4541.07,2060.01
NetC78_2: C78.2 R104.2 | length 70.2
  L1 w20: R104.2@4134.34,2052.57 4192.07,2052.57 4199.51,2060.01 C78.2@4201.47,2060.01
NetC79_1: C79.1 R90.1 R105.2 U9.13 | length 1277.6
  L1 w20: U9.13@4730.33,1871.22 4731.55,1870 5124.85,1870 v1(5212.13,1782.72) 5212.13,1670.03 5112.13,1670.03 R105.2@5110.91,1671.25 ; v1@5431.07,2001.22 5431.44,2001.59 5431.44,2235.85 R90.1@5431.82,2236.22
  L2 w20: v1(5212.13,1782.72) 5212.35,1782.72 5430.85,2001.22 v1@5431.07,2001.22
  other v1: 5431.07,2001.59
NetC79_2: C79.2 R109.2 | length 84.9
  L1 w20: R109.2@5212.13,1530.03 C79.2@5212.13,1614.91